# Altium PCB PCB.PcbDoc
Units mm, origin at the board's own origin, x right, y up, seen from the top; angles counter-clockwise.
Board outline 100 x 55 mm, 2 copper layers (Top Layer, Bottom Layer); 16 components, 25 nets, 105 pads, 0 vias.
Unrouted connection lines stored in the file: 53.
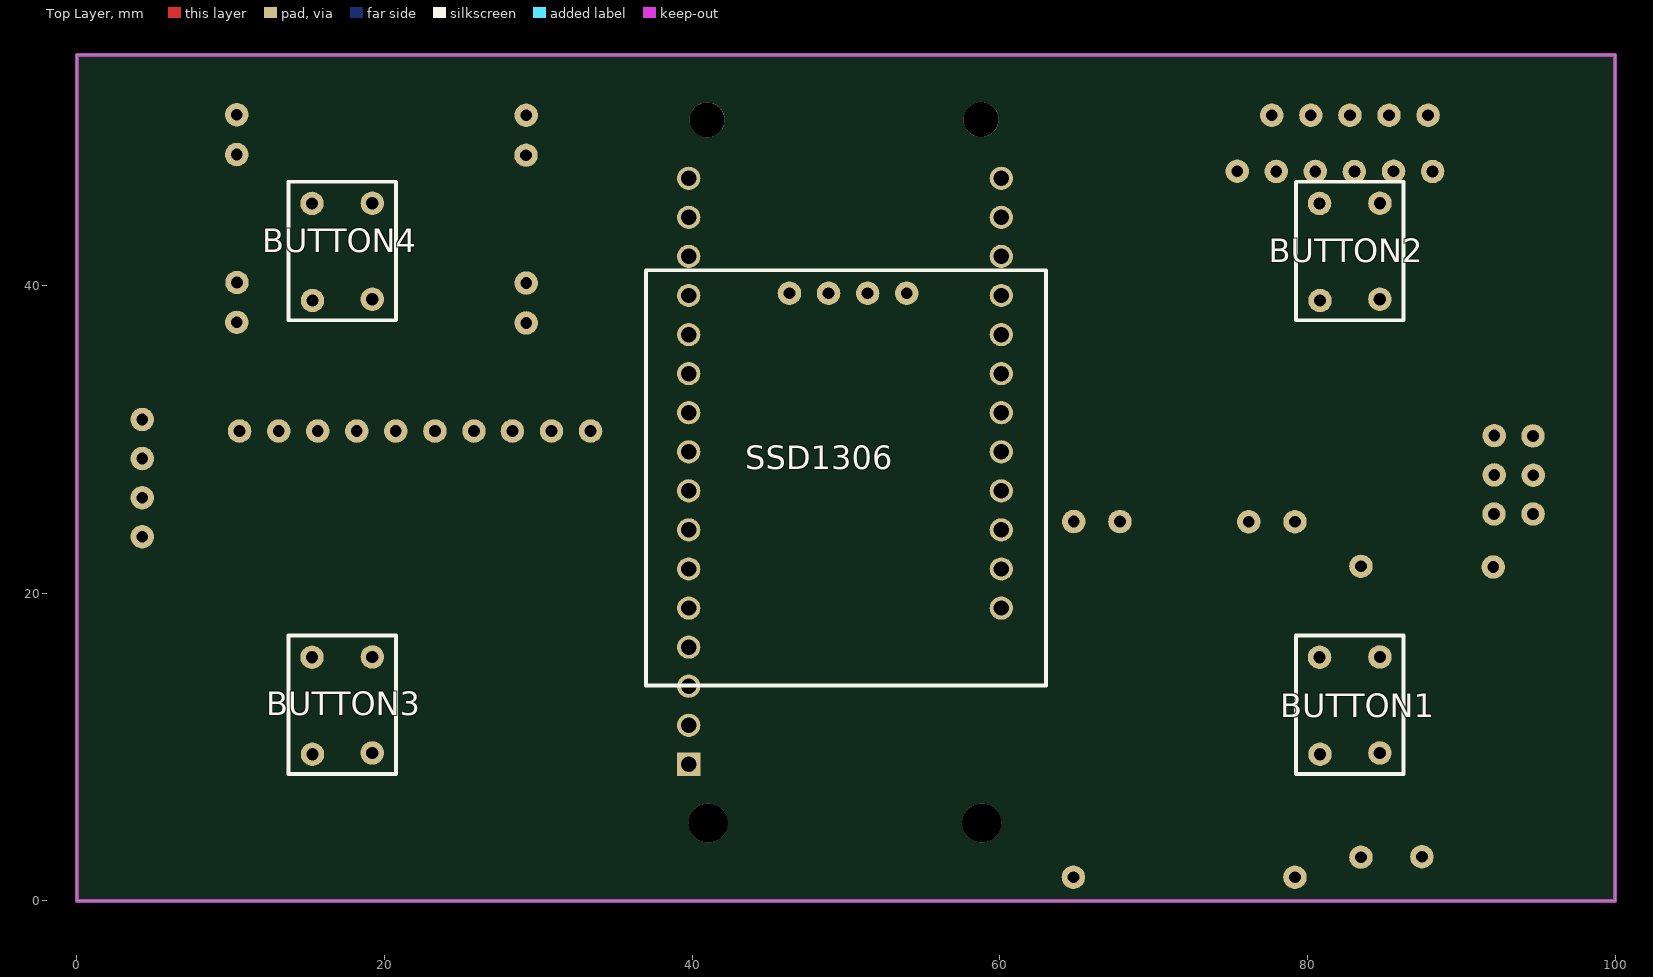
[diagram p0: Top Layer view]
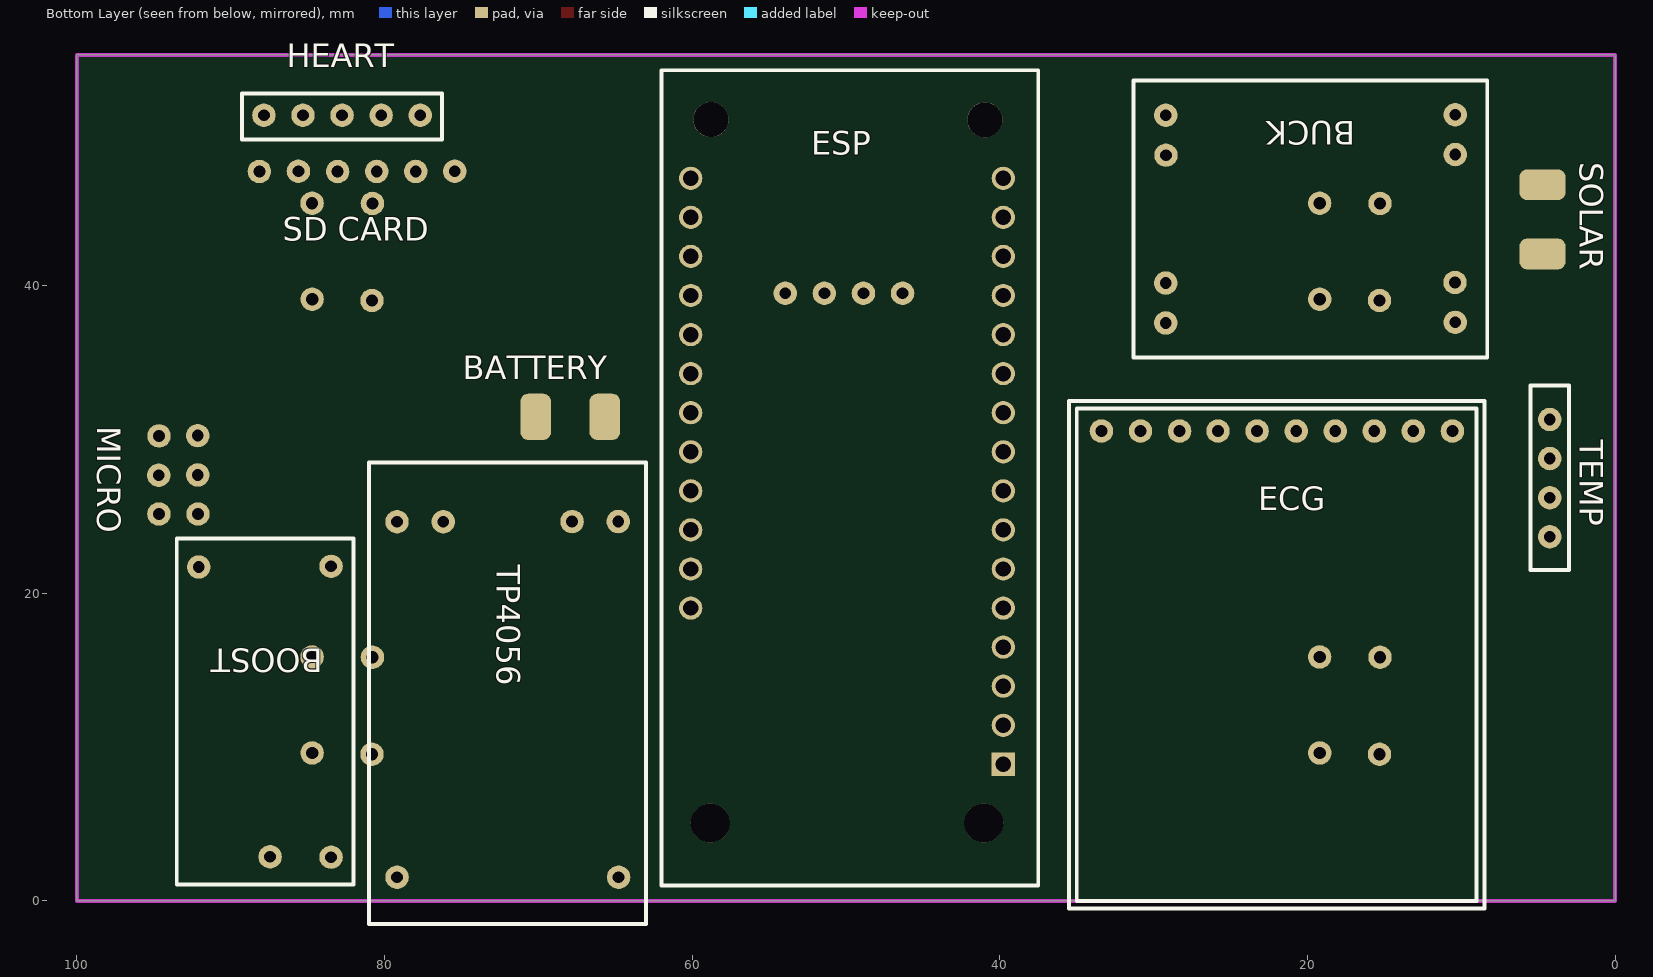
[diagram p1: Bottom Layer view, seen from below]

## Layer stack, top to bottom
Top Solder: solder mask 0.0102, Solder Resist, Dk 3.5
Top Layer: signal copper 0.0356
Dielectric 1: dielectric 0.32, FR-4, Dk 4.8
Bottom Layer: signal copper 0.0356
Bottom Solder: solder mask 0.0102, Solder Resist, Dk 3.5

## Board outline
0,0 100,0 100,55 0,55

## Design rules (kind name [scope] priority, off if disabled: settings)
Clearance [All] p1: gap=0.254 ignorepadtopadclearanceinfootprint=FALSE except(0: Arc-Hole Track-Hole SMDPad-Hole THPad-Hole Via-Hole Fill-Hole Poly-Hole Region-Hole Text-Hole)
PolygonConnect [All] p1: connectstyle=Relief reliefconductorwidth=0.254 reliefentries=4 polygonreliefangle="90 Angle" airgapwidth=0.254
RoutingVias [All] p1: holewidth=0.711 width=1.27 viastyle="Through Hole" minholewidth=0.711 minwidth=1.27 maxholewidth=0.711 maxwidth=1.27
SolderMaskExpansion [All] p1: expansion=0.102 istentingtop=FALSE
Width [All] p1: maxlimit=0.254 minlimit=0.254 preferedwidth=0.254
30 further rules are at their usual default settings.

## Classes and differential pairs
component class SENSOR: ECG HEART MICRO TEMP
component class SCREEN: BUTTON1 BUTTON2 BUTTON3 BUTTON4 ESP "SD CARD" SSD1306
component class POWER: BATTERY BOOST BUCK SOLAR TP4056

## Components (designator, comment, footprint, x,y, rotation, side; value= is the part's Value field where it differs from the comment)
BATTERY "PAD_SW" PAD_SW 67.818,31.496 r180 bottom
BOOST "BOOST_MODULE" BOOST_MODULE_MINI 87.884,12.192 r0 bottom
BUCK "MP1584EN_MODULE" MP1584EN_MODULE 19.812,44.831 r180 bottom
BUTTON1 "BUTTON" "BUTTON 4PIN" 82.75,12.75 r90 top
BUTTON2 "BUTTON" "BUTTON 4PIN" 82.75,42.25 r90 top
BUTTON3 "BUTTON" "BUTTON 4PIN" 17.25,12.75 r90 top
BUTTON4 "BUTTON" "BUTTON 4PIN" 17.25,42.25 r90 top
ECG "MAX30003" MAX30003 22,16 r270 bottom
ESP "ESP32_FEATHER_V2" ESP32_FEATHER_V2 38.5,2.5 r90 bottom
HEART "MAX30102_MODULE" MAX30102_module 82.757,57 r180 bottom
MICRO "INMP441_MODULE" INMP441_MODULE 100,27.5 r0 bottom
"SD CARD" "SD_CARD_MODULE" MICRO_SD_CARD_MODULE 81.788,39.624 r0 bottom
SOLAR "SOLAR" PAD_SW 4.699,44.196 r270 bottom
SSD1306 "SSD1306" SSD1306 50,27.5 r0 top
TEMP "MLX90614_MODULE" MLX90614_MODULE 12,27.5 r0 bottom
TP4056 "TP4056_MODULE" TP4056_MODULE 72,14 r270 bottom

## Footprints (in the part's own frame and the unit in brackets; to place one, negate y for a bottom-side part, rotate by r counter-clockwise, add the part's x,y. Pads: shape width x height; smd on the part's side, far side on the other; paste and mask are expansions set on the pad)
BOOST_MODULE_MINI [mil]
  round 60 hole 30: 1(-173.49,367.92) 2(-17.5,367.17) 3(165.33,-374.62) 4(-173.51,-376.22)
  silkscreen extent -231,-448 221,438, body extent -223,-433 214,425, height 252
"BUTTON 4PIN" [mil]
  round 60 hole 31.5: 1(-126.69,76.13) 2(121.74,77.37) 3(122.44,-77.2) 4(-123.26,-77.1)
  silkscreen extent -177,-138 177,138, body extent -149,-118 149,118, height 197
ESP32_FEATHER_V2 [mm]
  rect 1.508x1.508 hole 1: 1(6.379,1.274)
  round 1.508 hole 1: 2(8.919,1.274) 3(11.459,1.274) 4(13.999,1.274) 5(16.539,1.274) 6(19.079,1.274) 7(21.619,1.274) 8(24.159,1.274) 9(26.699,1.274) 10(29.239,1.274) 11(31.779,1.274) 12(34.319,1.274) 13(36.859,1.274) 14(39.399,1.274) 15(41.939,1.274) 16(44.479,1.274) 17(16.539,21.594) 18(19.079,21.594) 19(21.619,21.594) 20(24.159,21.594) 21(26.699,21.594) 22(29.239,21.594) 23(31.779,21.594) 24(34.319,21.594) 25(36.859,21.594) 26(39.399,21.594) 27(41.939,21.594) 28(44.479,21.594)
  round 2.54 hole 2.54: ""(2.569,2.544) ""(2.569,20.324)
  round 2.286 hole 2.286 unplated: ""(48.272,2.472) ""(48.296,20.278)
  silkscreen extent -1.5,-1 51.5,23.5, body extent -1.09,0 50.8,22.86, height 6.37
INMP441_MODULE [mil]
  round 60 hole 30: 1(-309.97,92.36) 2(-309.49,-7.54) 3(-309.3,-108.25) 4(-209.97,92.36) 5(-209.24,-6.59) 6(-210.22,-107.46)
  body extent -220,-280 302,280, height 547
MAX30003 [mil]
  round 60 hole 30: CS(-572.64,-150.23) FCLK(-572.64,-50.23) GND(-572.64,249.77) GND(-572.64,449.77) INT1(-572.64,49.77) INT2(-572.64,149.77) MISO(-572.64,-448.58) MOSI(-572.64,-348.58) SCK(-572.64,-248.58) VCC(-572.64,349.77)
  silkscreen extent -650,-531 650,531
MAX30102_module [mil]
  round 60 hole 30: 1(-200.2,-233.5) 2(-100.2,-233.5) 3(-0.2,-233.5) 4(99.8,-233.5) 5(199.8,-233.5)
  silkscreen extent -256,-295 256,-177, body extent -250,-245 250,38, height 472
MICRO_SD_CARD_MODULE [mil]
  round 60 hole 30: 1(249.88,-306.96) 2(149.97,-307.38) 3(49.71,-306.75) 4(-50.16,-307.05) 5(-150.18,-307) 6(-250.14,-307.49)
  body extent -356,-356 356,456, height 369
MLX90614_MODULE [mil]
  round 60 hole 30: 1(-305.4,150.51) 2(-305.4,50.51) 3(-305.4,-49.49) 4(-305.4,-149.49)
  silkscreen extent -354,-236 -256,236, body extent -776,-344 -547,344, height 453
MP1584EN_MODULE [mil]
  round 60 hole 30: 1(370.54,247.41) 1(370.99,145.3) 2(370.24,-182.16) 2(370.69,-284.27) 3(-370,245.91) 3(-369.55,143.8) 4(-370.29,-183.65) 4(-369.85,-285.76)
  silkscreen extent -453,-374 453,335, body extent -441,-356 441,317, height 260
PAD_SW [mm]
  rrect50% 2x3 smd: 1(-2.358,-0.024) 2(2.142,-0.024)
SSD1306 [mil]
  round 60 hole 30: 1(155.3,472.44) 2(55.3,472.44) 3(-44.7,472.44) 4(-144.7,472.44)
  silkscreen extent -512,-531 512,531, body extent -500,-516 500,516, height 130
TP4056_MODULE [mil]
  round 60 hole 30: 1(-419.72,283.02) 2(-419.66,165.04) 3(-419.17,-164.54) 4(-419.16,-283.01) 5(490.42,284.11) 6(490.33,-282.91)
  silkscreen extent -571,-354 610,354, body extent -557,-343 596,343, height 281

## Part data
BUTTON1 BUTTON2 BUTTON3 BUTTON4: "6X6X5mm"
ESP: "ESP32 Feather V2"
SOLAR: library part PAD_SW
SSD1306: "0.96 inch, 128x64"

## Nets (pads, with @x,y where several pads share a name; then routed paths per layer and width w, separated by ;. In a path a pad name is that pad's centre, name@x,y a point inside that pad or via, vN(x,y) a via of type N, cw(c..) or ccw(c..) an arc to the next point about the centre after c; other vN are vias at no path point)
3.3V: "SD CARD.6" ESP.15 MICRO.2
5V: BOOST.3 ECG.VCC ESP.17 HEART.5 SSD1306.3 TEMP.1
CS1: ECG.CS ESP.8
GND: "SD CARD.1" BOOST.4 BUTTON1.4 BUTTON2.4 BUTTON3.4 BUTTON4.4 ECG.GND ESP.13 HEART.4 MICRO.3 MICRO.6 SSD1306.4 TEMP.2
IO14: BUTTON4.1 ESP.26
IO15: BUTTON3.1 ESP.24
IO27: BUTTON1.1 ESP.22
IO33: BUTTON2.1 ESP.23
MISO: "SD CARD.2" ECG.MISO ESP.4
MOSI: "SD CARD.4" ECG.MOSI ESP.5
NetBATTERY_1: BATTERY.1 TP4056.3
NetBATTERY_2: BATTERY.2 TP4056.2
NetBOOST_1: BOOST.1 TP4056.4
NetBOOST_2: BOOST.2 TP4056.1
NetBUCK_1: BUCK.1 SOLAR.1
NetBUCK_2: BUCK.2 SOLAR.2
NetBUCK_3: BUCK.3 TP4056.6
NetBUCK_4: BUCK.4 TP4056.5
SCK: "SD CARD.3" ECG.SCK ESP.6
SCK1: ESP.9 MICRO.4
SCL: ESP.27 HEART.3 SSD1306.1 TEMP.3
SD: ESP.10 MICRO.1
"SD CS": "SD CARD.5" ESP.7
SDA: ESP.28 HEART.2 SSD1306.2 TEMP.4
WS: ESP.11 MICRO.5
pads on no net: BUTTON1.2 BUTTON1.3 BUTTON2.2 BUTTON2.3 BUTTON3.2 BUTTON3.3 BUTTON4.2 BUTTON4.3 ECG.FCLK ECG.INT1 ECG.INT2 ESP. ESP.1 ESP.2 ESP.3 ESP.12 ESP.14 ESP.16 ESP.18 ESP.19 ESP.20 ESP.21 ESP.25 HEART.1

## Keep-outs
Keep-Out Layer:
  the board outline again, w0.254